# Altium PCB sombreakout.PcbDoc (part 2 of 3)
Units mm, origin at the board's own origin, x right, y up, seen from the top; angles counter-clockwise.
Board outline 65 x 106 mm, 4 copper layers (Component Side, Ground Plane, Power Plane, Solder Side), stack 1.607 mm thick; 291 components, 275 nets, 1089 pads, 416 vias.
Unrouted connection lines stored in the file: 2.
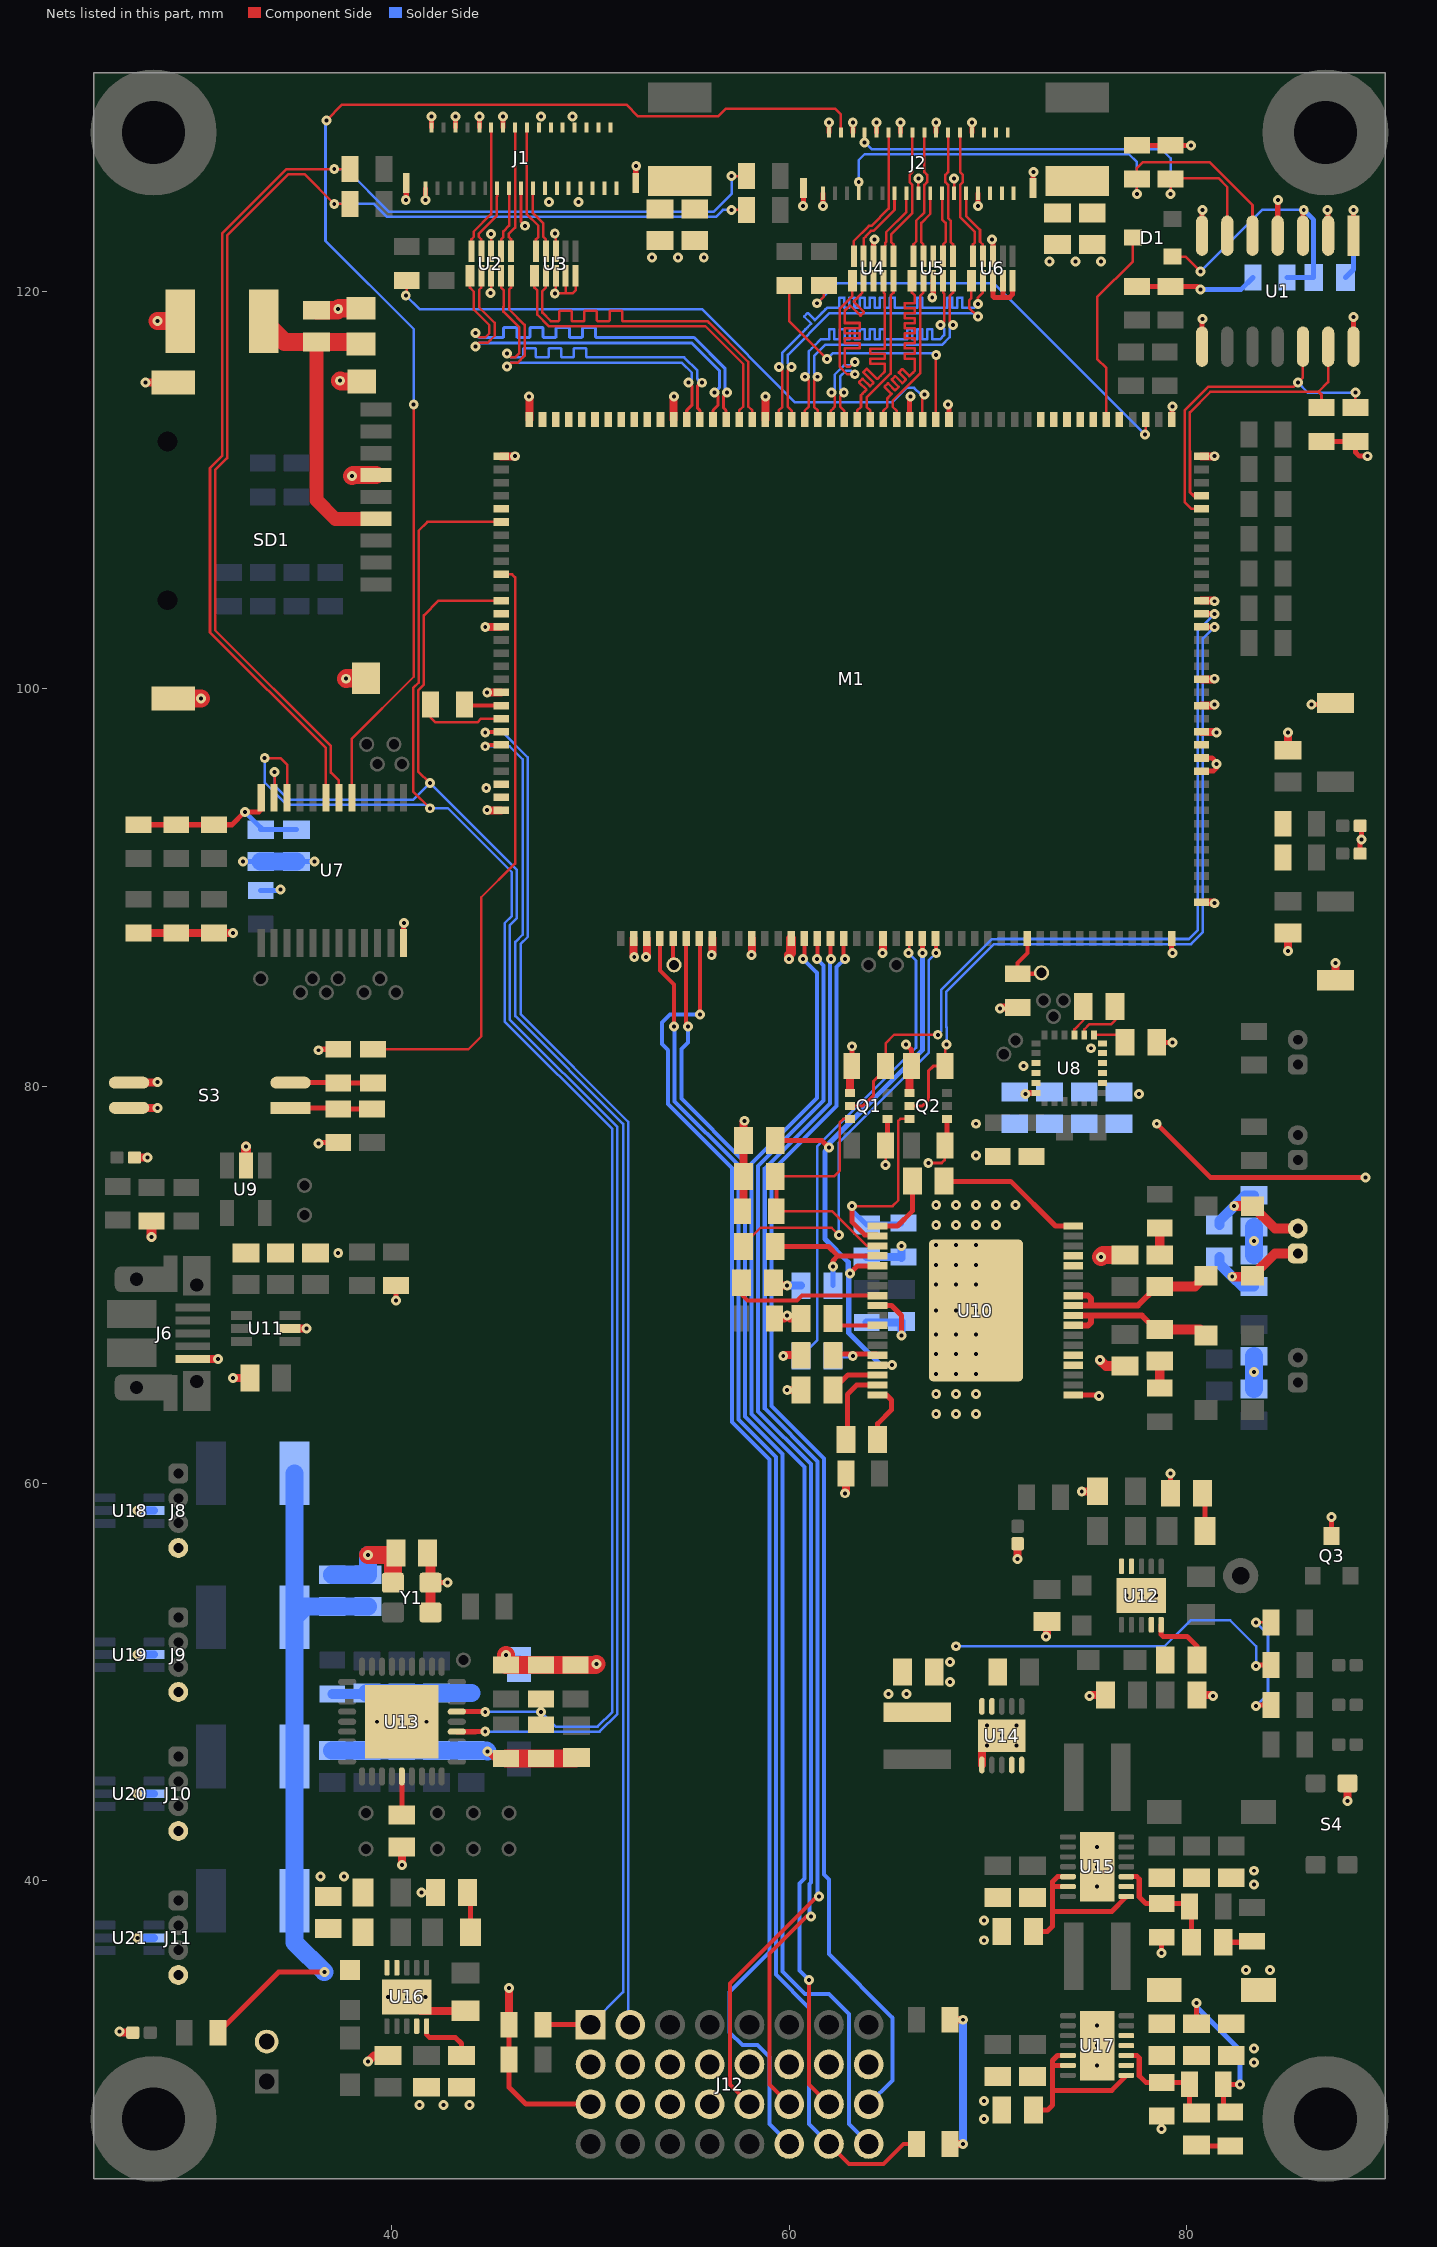
[diagram p4: the nets of this part, all layers, seen from the top]

## Part data
C1 C2 C3 C4 C7 C8 C15 C25 C35 C50 C75: library part CMP-1036-04917-1, "CAP 10uF 6.3V ±10% 0805 (2012 Metric) Thickness 1mm SMD"
C5 C59 C60 C63: library part CMP-1036-04730-1, "CAP 1uF 6.3V ±5% 0805 (2012 Metric) Thickness 1mm SMD"
C6 C14 C16 C29 C33 C36 C37 C45 C51 C55 C57 C58 C61 C62 C74 C76 C77 C78 C79 C80 C82 C83: library part CMP-1036-04391-1, "CAP 100nF 6.3V ±10% 0805 (2012 Metric) Thickness 1mm SMD"
C9 C11: library part CMP-1036-04520-1, "CAP 220nF 6.3V ±20% 0805 (2012 Metric) Thickness 1mm SMD"
C10: library part CMP-1036-04879-1, "CAP 4.7uF 6.3V ±20% 0805 (2012 Metric) Thickness 1mm SMD"
C12 C21 C26 C30 C41 C42 C43 C48 C54 C66: library part CMP-1036-04946-1, "CAP 22uF 16V ±20% 0805 (2012 Metric) Thickness 1.45mm SMD"
C13 C18 C19 C20 C23 C24 C27 C40 C47 C64 C65 C67 C68 C70 C71 C73: library part CMP-1036-04411-1, "CAP 100nF 25V ±10% 0805 (2012 Metric) Thickness 1mm SMD"
C17 C22 C69 C72: library part CMP-1036-04411-1
C28 C44: library part CMP-1036-04391-1
C31 C32: library part CMP-1036-04937-1, "CAP 22uF 4V ±20% 0805 (2012 Metric) Thickness 1mm SMD"
C34 C49: library part CMP-1036-04917-1
C38 C39 C52 C53 C81: library part CMP-1036-04920-1, "CAP 10uF 6.3V ±20% 0805 (2012 Metric) Thickness 1mm SMD"
C46 C56: library part CMP-1036-00526-1, "CAP 4.7pF 10V ±0.25pF 0805 (2012 Metric) Thickness 1mm SMD"
D1: library part CMP-1054-00123-1, "High-Speed Switching Diode, 3-Pin SOT-23, Pb-Free, Tape and Reel"
D2 D3: library part BAT20-SOD323, "Schottky Diode SOD323 1A 23V"
FB1 FB2 FB3: library part CMP-0686-00749-2, "Chip Ferrite Bead for Power Lines, 75 Ohm, 3500 mA, -55 to 125 degC, 4.5 x 1.6 x 1.8 mm SMD, Tape and Reel"
J3 J4 J5 J7: library part CON_HRS_DF13-2P-1.25DS(20), "CONN HEADER 2POS 1.25MM R/A THT TIN"
J8 J9 J10 J11: library part CON_HRS_DF13-4P-1.25DS(20), "CONN HEADER 4POS 1.25MM R/A THT TIN"
J12: library part CMP-1021-00092-1, "Cost-Effective Rugged Socket, Through-hole, Vertical, -55 to 125 degC, 2 mm Pitch, 32-Pin, Female, RoHS"
K1: "JMPR2 2MM OPEN BY DEFAULT"
L1 L2 L3 L4 L5 L9: library part CMP-1392-00033-1, "Power Multilayer Inductor WE-PMI, L=1.00 µH"
L7 L8: library part SHIELDED_INDUCTOR
LED1 LED3 LED4 LED5 LED6 LED7 LED8: library part LED_0402_VLMG1500-GS08, "LED GREEN 0402 SMD"
LED2: library part LED_0402_VLMS1500-GS08, "LED RED 0402 SMD"
M1: library part Q410
Q1 Q2: library part CMP-1058-00639-1, "Small Signal MOSFET, 30 V / -20 V, +0.25 / -0.88 A, Complementary, 6-Pin SC70, Pb-Free, Tape and Reel"
Q3: library part CMP-1058-00762-1, "Power MOSFET Single P-Channel, -50 V, 10 Ohm, 3-Pin SOT-23, Pb-Free, Tape and Reel"
R1 R2 R13 R100 R101 R103 R104: library part CMP-0280-00002-2, "MF-MSMF Series - PTC Resettable Fuse, 15 V Max, 0.15 Ohm Min, -40 to 85 degC, RoHS, Reel"
R3 R6 R7 R8 R9 R10 R11 R12 R48 R54 R58 R65: library part CMP-1013-00341-1, "33R 0.125W 1% 0805 (2012 Metric)  SMD"
R4 R5 R14 R15 R19 R20: library part CMP-1013-00586-1, "4K7 0.125W 1% 0805 (2012 Metric)  SMD"
R16 R17 R18 R21 R22 R23 R24 R25 R26 R27 R28 R29 R30 R31 R32 R33 R34 R35 R36 R37 R38 R39 R40 R41 R42 R43 R44 R45 R46 R47 R49 R50 R51 R52 R53 R55 R57 R59 R60 R66 R67 R68 R69 R70 R71 R72 R73 R74 R82 R83 R84 R85 R89 R90 R91 R92 R93 R94 R95 R96 R98 R102: library part CMP-1013-00623-1, "10K 0.125W 1% 0805 (2012 Metric)  SMD"
R56: library part CMP-1013-00699-1, "47K 0.125W 1% 0805 (2012 Metric)  SMD"
R61 R62 R64 R75 R76 R81: library part CMP-1013-00655-1, "20K 0.125W 1% 0805 (2012 Metric)  SMD"
R63 R77: library part CMP-1013-00655-1
R78 R86: library part CMP-1013-00645-1, "16K2 0.125W 1% 0805 (2012 Metric)  SMD"
R79 R87: library part CMP-1013-00645-1
R80 R88: library part CMP-1013-00118-1, "68K 0.125W 5% 0805 (2012 Metric)  SMD"
R97: library part CMP-1013-00623-1
R99: library part CMP-1013-00341-1
S1 S2: "Button"
S3: "2 POLE DIP SWITCH SMD"
S4: library part "SW_KMR211G LFS", "SWITCH TACTILE SPST-NO 0.05A 32V"
SD1: "SD"
TP1 TP2 TP3 TP4 TP5 TP6 TP7 TP8 TP9 TP10 TP11 TP12 TP13 TP14 TP15 TP16 TP17 TP18 TP19 TP20 TP21 TP22 TP23 TP24 TP25 TP26 TP27 TP28 TP29 TP30 TP31 TP32 TP33: library part TESTPOINTHOLE035
U1: "Low Voltage 2-Channel I2C Bus Switch with Interrupt and Reset"
U2 U3 U4 U5 U6: library part CMP-1066-00059-1, "Common Mode Filter with ESD Protection, -40 to 85 degC, 10-Pin WDFN, Pb-Free, Tape and Reel"
U7: library part PCA9555SSOP24
U8: library part CMP-1273-00002-1, "INEMO Inertial Module: 3D Accelerometer, 3D Gyroscope, 3D Magnetometer, 2.4 to 3.6 V, -40 to 85 degC, 24-Pin LGA, RoHS, Tape and Reel"
U9: library part CMP-0133-00139-1, "Simple, Miniature Single-Cell, Fully Integrated Li-Ion/Li-Polymer Charge Management Controller, 4.2V, 5-Pin SOT-23, Industrial Temperature, Tape and Reel"
U10: "2x5W DUAL BTL CLASS-D AUDIO AMPLIFIER"
U11 U18 U19 U20 U21: library part CMP-0326-00066-2, "Low-Capacitance + / - 15-kV ESD Protection Array for High-Speed Data Interfaces, 4 Channels, -40 to +85 degC, 6-pin SOT70 (DCK), Green (RoHS & no Sb/Br)"
U14: library part CMP-0323-00557-1, "Buck Step Down Regulator with 2.5 to 6 V Input and 1.8 V Output, -40 to 85 degC, 10-Pin SON (DRC), Green (RoHS & no Sb/Br)"
Y1: library part OSC_MEMS_8.000MHZ, "OSC CMEMS 8.000MHZ LVCMOS SMD"

## Via types
v1: diameter 0.5, hole 0.2, Component Side to Solder Side, tented both sides, 415 vias
v2: diameter 0.5, hole 0.2, Component Side to Solder Side, 1 vias

## Nets (pads, with @x,y where several pads share a name; then routed paths per layer and width w, separated by ;. In a path a pad name is that pad's centre, name@x,y a point inside that pad or via, vN(x,y) a via of type N, cw(c..) or ccw(c..) an arc to the next point about the centre after c; other vN are vias at no path point)
+1.8V: C31.2 C62.1 C63.1 J12.3 L6.2 R36.1 R37.1 R42.1 R46.1 R47.1 R70.1 R83.2 R84.2 R85.2 R89.2 U8.18 U14.5 | length 38.5
  Component Side w0.254: v1(36.3,77.1) 36.35,77.15 R42.1@37.3,77.15 ; v1(36.3,81.8) 36.35,81.85 R37.1@37.3,81.85 ; R83.2@45.9,32.75 R85.2@45.9,31 45.9,29.6 46.75,28.75 J12.3@50,28.75 ; v1(83.5,50.8) 83.55,50.85 R70.1@84.25,50.85
  Component Side w0.305: v1(71.9,79.6) 71.95,79.65 U8.18@72.425,79.65
  Component Side w0.4: R83.2@45.9,32.75 v1(45.9,34.6) ; R89.2@68.1,26.75 v1(68.75,26.75) ; R84.2@68.1,33 v1(68.75,33) ; v1(70.6,83.9) 70.65,83.95 R36.1@71.5,83.95
  Solder Side w0.127: v1(68.4,51.8) 78.9,51.8 80.2,53.1 82.2,53.1 83.5,51.8 v1(83.5,50.8)
  Solder Side w0.4: v1(68.75,26.75) v1(68.75,33)
  other v1: 65,49.4 65.9,49.4 69.4,76.5
+2V85: M1.145 M1.146 R13.2 | length 3.1
  Component Side w0.254: M1.146@80.75,95.85 81.35,95.85 81.5,96 81.5,96.3 81.29,96.51 M1.145@80.75,96.51
  Component Side w0.914: v1(28.2,118.5) R13.2@29.35,118.5
  other v1: 81.5,96.2
+3V3: C29.1 C58.1 C59.1 C60.1 C61.1 FB2.2 FB3.1 J12.7 J12.11 J12.15 LED1.A LED2.A Q1.4 Q2.4 R4.2 R5.2 R14.1 R15.1 R19.2 R20.2 R28.2 R29.2 R30.2 R44.2 R45.2 R66.1 R67.2 R68.2 R69.2 R73.1 R90.2 R97.1 U1.4 U1.8 U1.14 U7.24 U8.15 U8.16 U8.17 Y1.1 Y1.4 | length 61.5
  Component Side w0.127: v1(64.85,76.025) R44.2@64.85,77 ; v1(67,76.125) 67.675,76.125 67.825,76.275 67.825,76.975 R45.2@67.85,77 ; v1(83.5,53) R66.1@84.25,53
  Component Side w0.254: R28.2@27.25,93.15 R29.2@29.15,93.15 R30.2@31.05,93.15 31.95,93.15 v1(32.6,93.8) 33.3,93.8 33.425,93.925 U7.24@33.425,94.508 ; Y1.1@41.95,55 v1(42.8,55) ; R44.2@64.85,77 64.95,77.1 Q1.4@64.95,78.35 ; R45.2@67.85,77 67.95,77.1 Q2.4@67.95,78.35 ; R14.1@77.5,120.25 R15.1@79.2,120.25 80.55,120.25 v1(80.7,120.1) ; R4.2@77.5,127.35 R5.2@79.2,127.35 v1(80.225,127.35) ; v1(78.5,78.1) 81.2,75.4 v1(89,75.4) ; U1.8@80.78,117.212 80.78,118.58 v1(80.8,118.6) ; v1(83.5,48.8) 83.55,48.85 R73.1@84.25,48.85 ; U1.4@84.59,122.8 84.59,124.59 v1(84.6,124.6) ; R19.2@86.8,112.45 R20.2@88.5,112.45 88.5,111.9 88.7,111.7 v1(89.1,111.7) ; U1.14@88.4,117.212 v1(88.4,118.7) ; LED2.A@88.74,91.7 88.74,92.34 v1(88.8,92.4) 88.8,93.04 LED1.A@88.74,93.1
  Component Side w0.5: C29.1@41.8,56.5 41.8,56.15 41.95,56 Y1.1@41.95,55 Y1.4@41.95,53.5
  Component Side w0.914: v1(45.75,51.35) R67.2@45.75,50.85 R68.2@47.5,50.85 R69.2@49.25,50.85 50.25,50.85 v1(50.3,50.9)
  Solder Side w0.127: v1(83.5,48.8) 84.1,49.4 84.1,52.4 v1(83.5,53)
  Solder Side w0.254: v1(32.6,93.8) 33.4,93 C59.1@33.4,92.9 C58.1@35.2,92.9 ; R97.1@33.4,89.85 34.35,89.85 v1(34.4,89.9) ; v1(80.7,120.1) 82.75,120.1 R90.2@83.35,120.7
  Solder Side w0.914: FB3.1@46.225,50.875 FB3.1@46.4,50.875
  other v1: 83,35.5 84.2,35.5 71.8,81
+5USB: C43.2 C74.1 C75.2 D3.K R76.1 R82.1 R100.1 R101.1 R103.1 R104.1 | length 36.3
  Component Side w0.254: R82.1@31.25,32.35 34.3,35.4 v1(36.6,35.4)
  Solder Side w0.914: R100.1@35.1,60.5 R101.1@35.1,53.25 ; v1(36.6,35.4) 35.1,36.9 R104.1@35.1,39 R103.1@35.1,46.25 R101.1@35.1,53.25 ; C74.1@38.8,53.8 C75.2@37,53.8 35.65,53.8 R101.1@35.1,53.25
AMP_MUTE: M1.134 Q1.2 R39.1 | length 40.5
  Component Side w0.127: R39.1@64.85,80.85 R39.1@64.85,81 64.85,82.15 65.279,82.579 v1(67.478,82.579)
  Component Side w0.152: Q1.2@63.05,79 63.711,79 64.25,79.539 64.25,80.25 R39.1@64.85,80.85
  Component Side w0.254: M1.134@80.75,103.77 81.389,103.77 v1(81.404,103.755)
  Solder Side w0.127: v1(67.478,82.579) 67.646,82.747 67.646,84.828 70.212,87.394 70.494,87.394 70.5,87.4 80.123,87.4 80.571,87.848 80.571,102.922 v1(81.404,103.755)
AMP_STBY: M1.135 Q2.2 R40.1 | length 37.7
  Component Side w0.127: R40.1@67.85,81 67.85,82.025 v1(67.925,82.1)
  Component Side w0.152: Q2.2@66.05,79 66.711,79 67,79.289 67,80.75 67.25,81 R40.1@67.85,81
  Component Side w0.254: M1.135@80.75,103.11 81.39,103.11 v1(81.4,103.1)
  Solder Side w0.127: v1(67.925,82.1) 67.925,82.95 67.9,82.975 67.9,84.723 70.317,87.14 70.6,87.14 70.605,87.146 80.228,87.146 80.825,87.743 80.825,102.525 v1(81.4,103.1)
BLSP1_UART_CTS#: M1.52 R27.2 | length 1.9
  Component Side w0.203: R27.2@43.65,99.15 M1.52@45.503,99.15
BLSP1_UART_RTS#: M1.51 R27.1 | length 4.4
  Component Side w0.127: R27.1@41.95,99.2 41.95,98.55 42.2,98.3 44.3,98.3 44.49,98.49 M1.51@45.503,98.49
BLSP1_UART_RX: J12.1 M1.49 R83.1 | length 72.2
  Component Side w0.203: v1(44.7,97.1) 44.77,97.17 M1.49@45.503,97.17
  Component Side w0.254: R83.1@47.6,32.75 J12.1@50,32.75
  Solder Side w0.127: v1(44.7,97.1) 45.925,97.1 46.587,96.438 46.587,87.615 46.221,87.25 46.221,83.515 51.644,78.092 51.644,34.394 J12.1@50,32.75
BLSP1_UART_TX: J12.5 M1.50 | length 69.7
  Component Side w0.203: v1(44.7,97.8) 44.73,97.83 M1.50@45.503,97.83
  Solder Side w0.127: v1(44.7,97.8) 45.584,97.8 46.841,96.544 46.841,87.51 46.475,87.145 46.475,83.62 51.898,78.197 51.898,32.852 J12.5@52,32.75
BLSP2_UART_RX: M1.67
BLSP2_UART_TX: M1.59
BLSP6_I2C_SCL: M1.66 R68.1 R72.2 U7.22 U13.24 | length 90.3
  Component Side w0.127: v1(33.6,96.5) 34.4,96.5 34.725,96.175 U7.22@34.725,94.508 ; v1(41.91,93.98) 41.072,94.818 41.072,100.025 41.354,100.308 41.354,107.954 41.79,108.39 M1.66@45.503,108.39
  Component Side w0.254: U13.24@43.269,48.508 44.692,48.508 v1(44.7,48.5)
  Solder Side w0.127: v1(33.6,96.5) 33.6,95.273 34.727,94.146 41.744,94.146 v1(41.91,93.98) 42.821,93.98 46.04,90.76 46.04,88.558 45.675,88.193 45.675,83.253 51.098,77.829 51.098,48.498 50.354,47.754 48.246,47.754 v1(47.5,48.5) v1(44.7,48.5)
BLSP6_I2C_SDA: M1.60 U7.23 U13.22 | length 83
  Component Side w0.127: U7.23@34.075,94.508 34.1,94.533 v1(34.1,95.8) ; v1(41.91,95.25) 41.326,95.834 41.335,95.844 41.335,99.929 41.608,100.202 41.608,103.683 42.355,104.43 M1.60@45.503,104.43
  Component Side w0.254: U13.22@43.269,47.5 43.273,47.496 44.209,47.496 44.213,47.5 v1(44.7,47.5)
  Solder Side w0.127: v1(34.1,95.8) 34.1,95.133 34.833,94.4 41.06,94.4 v1(41.91,95.25) 46.294,90.866 46.294,88.453 45.929,88.088 45.929,83.358 51.352,77.935 51.352,48.393 50.459,47.5 v1(44.7,47.5)
BOOT1: R37.2 R38.1 S3.2 | length 4.2
  Component Side w0.254: S3.2@34.9,80.17 37.28,80.17 R37.2@37.3,80.15 R38.1@39.05,80.15
BOOT2: R42.2 R43.1 S3.1 | length 4.1
  Component Side w0.254: S3.1@34.9,78.9 37.25,78.9 R42.2@37.3,78.85 R43.1@39,78.85
BOOTCFG1: M1.62 R38.2 | length 30.3
  Component Side w0.127: R38.2@39.05,81.85 43.85,81.85 44.5,82.5 44.5,89.5 46.2,91.2 46.2,105.6 46.05,105.75 M1.62@45.503,105.75
C0CLK_N: J2.13 U4.9 | length 3.9
  Component Side w0.127: U4.9@63.75,121.765 63.75,122.655 63.859,122.765 63.859,122.782 64.117,123.04 64.24,123.04 65.3,124.1 J2.13@65.3,124.935
C0CLK_P: J2.12 U4.10 | length 7
  Component Side w0.127: U4.10@63.25,121.765 63.25,122.532 64.012,123.294 64.135,123.294 65,124.159 J2.12@65,128
C0D0_N: J2.18 U5.10 | length 6.6
  Component Side w0.127: U5.10@66.25,121.765 66.25,122.364 66.396,122.51 66.396,123.555 66.8,123.959 66.8,125.355 66.94,125.495 66.94,125.86 66.8,126.001 J2.18@66.8,128
C0D0_P: J2.19 U5.9 | length 3.4
  Component Side w0.127: U5.9@66.75,121.765 66.75,122.364 66.65,122.463 66.65,123.45 67.1,123.9 J2.19@67.1,124.935
C0D1_N: J2.16 U4.6 | length 6.8
  Component Side w0.127: U4.6@65.25,121.765 65.25,122.364 65.127,122.487 65.127,122.868 66.2,123.941 66.2,125.355 66.059,125.495 66.059,125.86 66.2,126.001 J2.16@66.2,128
C0D1_P: J2.15 U4.7 | length 3.6
  Component Side w0.127: U4.7@64.75,121.765 64.75,122.227 64.841,122.318 64.841,122.454 64.873,122.487 64.873,122.973 65.9,124 J2.15@65.9,124.935
C0D2_N: J2.21 U5.7 | length 3.3
  Component Side w0.127: J2.21@67.7,124.935 67.7,123.625 67.875,123.45 67.875,122.489 67.75,122.364 U5.7@67.75,121.765
C0D2_P: J2.22 U5.6 | length 6.5
  Component Side w0.127: J2.22@68,128 68,126.001 67.859,125.86 67.859,125.495 68,125.355 68,123.684 68.055,123.63 68.129,123.555 68.129,122.484 68.25,122.364 U5.6@68.25,121.765
C0D3_N: J2.25 U6.9 | length 3.5
  Component Side w0.127: J2.25@68.9,124.935 68.9,123.8 69.604,123.096 69.604,122.5 69.74,122.364 69.75,122.364 U6.9@69.75,121.765
C0D3_P: J2.24 U6.10 | length 6.7
  Component Side w0.127: J2.24@68.6,128 68.6,126.001 68.74,125.86 68.74,125.495 68.6,125.355 68.6,123.741 69.35,122.991 69.35,122.464 69.25,122.364 U6.10@69.25,121.765
C1CLK_N: J1.13 U2.9 | length 3.6
  Component Side w0.127: U2.9@44.5,122.015 44.5,122.614 44.377,122.737 44.377,122.9 45.275,123.798 45.275,124.762 45.3,124.787 J1.13@45.3,125.185
C1CLK_P: J1.12 U2.10 | length 6.6
  Component Side w0.127: U2.10@44,122.015 44,122.614 44.123,122.737 44.123,123.005 45,123.882 J1.12@45,128.25
C1D0_N: J1.18 U3.10 | length 6.5
  Component Side w0.127: J1.18@46.8,128.25 46.8,123.875 47.373,123.302 47.373,122.737 47.25,122.614 U3.10@47.25,122.015
C1D0_P: J1.19 U3.9 | length 3.4
  Component Side w0.127: J1.19@47.1,125.185 47.1,123.934 47.627,123.407 47.627,122.737 47.75,122.614 U3.9@47.75,122.015
C1D1_N: J1.16 U2.6 | length 6.4
  Component Side w0.127: U2.6@46,122.015 46,122.614 45.889,122.724 45.889,122.9 46.2,123.211 J1.16@46.2,128.25
C1D1_P: J1.15 U2.7 | length 3.3
  Component Side w0.127: U2.7@45.5,122.015 45.5,122.614 45.61,122.724 45.61,123.016 45.9,123.305 J1.15@45.9,125.185
CAM_GPIO1: R7.1 R8.1 U7.18 | length 60.4
  Component Side w0.127: U7.18@37.33,94.508 37.33,95.37 36.929,95.771 36.929,97.11 31.1,102.939 31.1,111 31.708,111.608 31.708,122.808 34.8,125.9 35.6,125.9 v1(37.1,124.4) R7.1@37.9,124.4 ; v1(57.1,124.1) R8.1@57.85,124.1
  Solder Side w0.127: v1(37.1,124.4) 39.1,124.4 39.754,123.746 56.305,123.746 56.659,124.1 v1(57.1,124.1)
CAM_GPIO2: R3.1 R6.1 U7.19 | length 61.8
  Component Side w0.127: U7.19@36.675,94.508 36.675,97.005 30.846,102.834 30.846,111.105 31.454,111.713 31.454,122.913 34.695,126.154 v1(37.1,126.154) 37.896,126.154 R3.1@37.9,126.15 ; v1(57.1,125.8) R6.1@57.85,125.8
  Solder Side w0.127: v1(37.1,126.154) 37.705,126.154 39.859,124 56.2,124 57.1,124.9 v1(57.1,125.8)
CAM_I2C_RST#: D1.3 M1.116 | length 10.1
  Component Side w0.127: M1.116@75.963,113.55 75.963,116.137 75.5,116.6 75.5,119.706 77.3,121.506 D1.3@77.3,122.7
CAM_I2C_SCL: M1.126 R20.1 U1.12 | length 17.7
  Component Side w0.127: M1.126@80.75,109.05 80.25,109.05 79.899,109.401 79.899,114 81.1,115.2 85.4,115.2 v1(85.6,115.4) 85.86,115.66 U1.12@85.86,117.212 U1.12@85.8,117.152 ; R20.1@88.5,114.15 v1(88.5,114.9)
  Solder Side w0.127: v1(85.6,115.4) 86.1,114.9 v1(88.5,114.9)
CAM_I2C_SDA: M1.125 R19.1 U1.13 | length 14.9
  Component Side w0.127: 80.166,111.965 80.166,113.907 81.205,114.946 86.646,114.946 87.13,115.43 U1.13@87.13,117.212
  Component Side w0.152: 80.166,111.965 80.166,109.9 80.356,109.71 M1.125@80.75,109.71 ; 86.646,114.946 86.8,114.792 R19.1@86.8,114.15
CDC_HPH_L: C17.2 M1.19 | length 22.3
  Component Side w0.127: C17.2@57.7,72 58.565,72.866 58.84,72.866 58.846,72.859 62.14,72.859 v1(62.5,72.5)
  Component Side w0.203: M1.19@67.363,87.43 67.4,87.393 v1(67.4,86.7)
  Solder Side w0.127: v1(62.5,72.5) 62.5,77.152 67.02,81.672 67.02,86.32 v1(67.4,86.7)
CDC_HPH_R: C72.2 M1.21 | length 23.6
  Component Side w0.127: v1(66,86.7) 66.042,86.742 M1.21@66.042,87.43
  Component Side w0.203: M1.21@66.042,87.43 M1.21@66.042,87.458
  Solder Side w0.127: C72.2@60.6,66.4 61.4,67.2 61.4,76.95 66.382,81.933 66.382,86.318 v1(66,86.7)
CDC_HPH_RTN: C11.2 M1.20 U10.23 U10.33 | length 30.4
  Component Side w0.254: C11.2@59.3,77.25 61.651,77.25 v1(62,76.901) ; v1(63.052,70.565) 63.437,70.95 U10.23@64.45,70.95 ; U10.33@64.45,65.95 v1(65.168,65.95) ; v1(66.7,86.7) 66.7,87.428 M1.20@66.702,87.43
  Solder Side w0.254: v1(65.168,65.95) 64.616,65.95 62.996,67.57 62.996,70.509 v1(63.052,70.565) 62.971,70.646 62.971,71.129 61.8,72.3 61.8,76.701 v1(62,76.901) 62,77.101 66.702,81.803 66.7,81.806 v1(66.7,86.7)
CDC_HS_DET: M1.12 R36.2 TP16.1 | length 3.2
  Component Side w0.203: M1.12@71.986,87.43 71.986,86.686 71.5,86.2 R36.2@71.5,85.65 72.65,85.65 TP16.1@72.7,85.7
CSI0_MCLK: M1.103 R11.1 | length 13.4
  Component Side w0.127: R11.1@60,120.3 60,118.5 v1(61.9,116.6) ; M1.103@67.383,113.55 67.383,116.783 v1(67.4,116.8)
  Solder Side w0.127: v1(61.9,116.6) 62.194,116.894 67.306,116.894 v1(67.4,116.8)
CSI1_MCLK: M1.102 R9.1 | length 30.8
  Component Side w0.127: v1(40.7,119.8) 40.75,119.85 R9.1@40.75,120.55 ; M1.102@66.703,113.57 66.703,114.703 v1(66.8,114.8)
  Solder Side w0.127: v1(40.7,119.8) 41.4,119.1 55.6,119.1 60.276,114.424 65.201,114.424 65.918,115.14 66.282,115.14 66.623,114.8 v1(66.8,114.8)
GND: C1.1 C2.1 C3.1 C4.1 C5.2 C6.2 C7.1 C8.1 C10.1 C11.1 C12.1 C14.2 C15.1 C16.2 C18.2 C19.1 C21.1 C22.1 C23.1 C25.2 C26.1 C28.1 C29.2 C30.1 C31.1 C32.1 C33.1 C34.2 C35.1 C36.1 C37.1 C38.1 C39.1 C40.1 C41.1 C42.1 C43.1 C44.1 C45.2 C47.1 C48.1 C49.2 C50.1 C51.1 C52.1 C53.1 C54.1 C55.2 C57.2 C58.2 C59.2 C60.2 C61.2 C62.2 C63.2 C64.1 C66.1 C67.2 C68.1 C69.1 C70.2 C73.1 C74.2 C75.1 C76.1 C77.1 C78.1 C79.1 C80.1 C81.1 C82.1 C83.1 J1.1 J1.2 J1.6 J1.10 J1.14 J1.17 J1.20 J1.21 J1.22 J1.23 J1.24 J1.25 J1.26 J1.27 J1.M1 J1.M2 J2.1 J2.2 J2.6 J2.10 J2.14 J2.17 J2.20 J2.23 J2.26 J2.27 J2.M1 J2.M2 J6.5 J8.4 J9.4 J10.4 J11.4 J12.2 J12.6 J12.10 J12.14 J12.18 J12.22 J12.26 J12.30 K1.2 LED3.K LED4.K LED8.K M1.1 M1.23 M1.30 M1.33 M1.36 M1.41 M1.42 M1.44 M1.45 M1.46 M1.53 M1.58 M1.71 M1.72 M1.83 M1.90 M1.101 M1.104 M1.121 M1.122 M1.133 M1.139 M1.141 M1.143 M1.156 Q1.1 Q2.1 Q3.3 R33.1 R34.1 R35.1 R39.2 R40.2 R51.1 R53.1 R56.1 R57.2 R59.2 R61.2 R71.1 R72.1 R75.2 R78.1 R81.2 R86.1 R98.1 R99.1 R102.1 S1.2 S2.2 S3.3 S3.4 S4.1 SD1.6 U1.1 U1.2 U1.7 U2.3 U2.8 U3.3 U3.4 U3.5 U3.8 U4.3 U4.8 U5.3 U5.8 U6.3 U6.4 U6.5 U6.8 U7.12 U8.2 U8.3 U8.4 U8.5 U8.6 U9.2 U10.1 U10.4 U10.5 U10.14 U10.15 U10.27 U10.EP U11.2 U12.4 U12.5 U12.9 U12.11 U13.PAD U14.4 U14.6 U14.9 U14.10 U14.11 U15.2 U15.15 U16.4 U16.5 U16.9 U16.11 U17.2 U17.15 U18.2 U19.2 U20.2 U21.2 Y1.2 | length 159.1
  Component Side w0.127: v1(44.975,119.925) 45,119.95 U2.3@45,120.785 ; U2.8@45,122.015 v1(45,122.875) ; J1.17@46.5,125.185 46.5,123.5 v1(46.7,123.3) ; v1(48.2,122.9) 48.25,122.85 U3.8@48.25,122.015 ; U3.3@48.25,120.785 48.25,119.95 48.3,119.9 48.7,119.9 ; U3.4@48.75,120.785 48.75,119.95 48.7,119.9 ; U3.5@49.25,120.785 49.25,120.05 49.1,119.9 48.7,119.9 ; J2.17@66.5,124.935 v1(66.5,125.678) ; J2.23@68.3,124.935 v1(68.3,125.678)
  Component Side w0.254: v1(40.2,69.2) R56.1@40.2,69.95 ; U7.12@40.581,87.194 40.581,88.181 v1(40.6,88.2) ; v1(40.7,124.6) 40.725,124.625 J1.M1@40.725,125.45 ; v1(41.5,39.4) C44.1@42.2,39.4 ; v1(41.7,124.6) J1.1@41.7,125.185 ; J1.2@42,128.25 v1(42,128.8) ; J1.6@43.2,128.25 v1(43.2,128.8) ; J1.10@44.4,128.25 v1(44.4,128.8) ; v1(44.816,46.5) 45.166,46.15 R71.1@45.75,46.15 ; J1.14@45.6,128.25 v1(45.6,128.8) ; J1.M2@52.275,125.45 52.275,126.275 v1(52.3,126.3) ; v1(60.7,124.3) 60.725,124.325 J2.M1@60.725,125.2 ; v1(61.7,124.3) J2.1@61.7,124.935 ; J2.2@62,128 v1(62,128.5) ; R39.2@63.05,80.9 R39.2@63.15,81 v1(63.15,82) ; J2.6@63.2,128 v1(63.2,128.5) ; U4.8@64.25,121.765 64.25,122.55 v2(64.3,122.6) ; J2.10@64.4,128 v1(64.4,128.5) ; U10.27@64.45,68.95 65.15,68.95 65.65,68.45 v1(65.65,67.45) ; J2.14@65.6,128 v1(65.6,128.5) ; v1(65.875,82.1) 66.15,81.825 R40.2@66.15,81 ; M1.101@66.063,113.55 66.063,114.663 v1(66.1,114.7) ; v1(67.2,119.7) 67.25,119.75 U5.3@67.25,120.535 ; J2.20@67.4,128 v1(67.4,128.5) ; v1(68,114.3) 68.043,114.257 M1.104@68.043,113.55 ; J2.26@69.2,128 v1(69.2,128.5) ; v1(69.5,124.3) J2.27@69.5,124.935 ; v1(70.2,122.6) 70.25,122.55 U6.8@70.25,121.765 ; U6.3@70.25,120.535 70.25,119.75 70.3,119.7 70.7,119.7 ; U6.4@70.75,120.535 70.75,119.75 70.7,119.7 ; U6.5@71.25,120.535 71.25,119.85 71.1,119.7 70.7,119.7 ; J2.M2@72.275,125.2 72.275,125.975 v1(72.3,126) ; U10.1@74.3,64.45 75.55,64.45 v1(75.6,64.4) ; C10.1@78.5,82.2 v1(79.3,82.2) ; v1(78.75,27.5) R86.1@78.75,28.15 ; v1(78.75,36.35) R78.1@78.75,37.15 ; C28.1@79.2,59.5 v1(79.2,60.5) ; M1.1@79.25,87.43 79.25,86.75 v1(79.3,86.7) ; M1.121@79.263,113.55 79.263,114.163 v1(79.3,114.2) ; U1.7@80.78,122.8 80.78,124.08 v1(80.8,124.1) ; v1(86.3,99.2) 87.419,99.2 S1.2@87.5,99.281 ; v1(87.1,124.1) 87.13,124.07 U1.2@87.13,122.8 ; Q3.3@87.3,57.35 v1(87.3,58.3) ; U1.1@88.4,122.8 v1(88.4,124.1)